# Altium PCB Goldstrike1_Rev01 2014 06 02.PcbDoc (part 1 of 5) (continued)
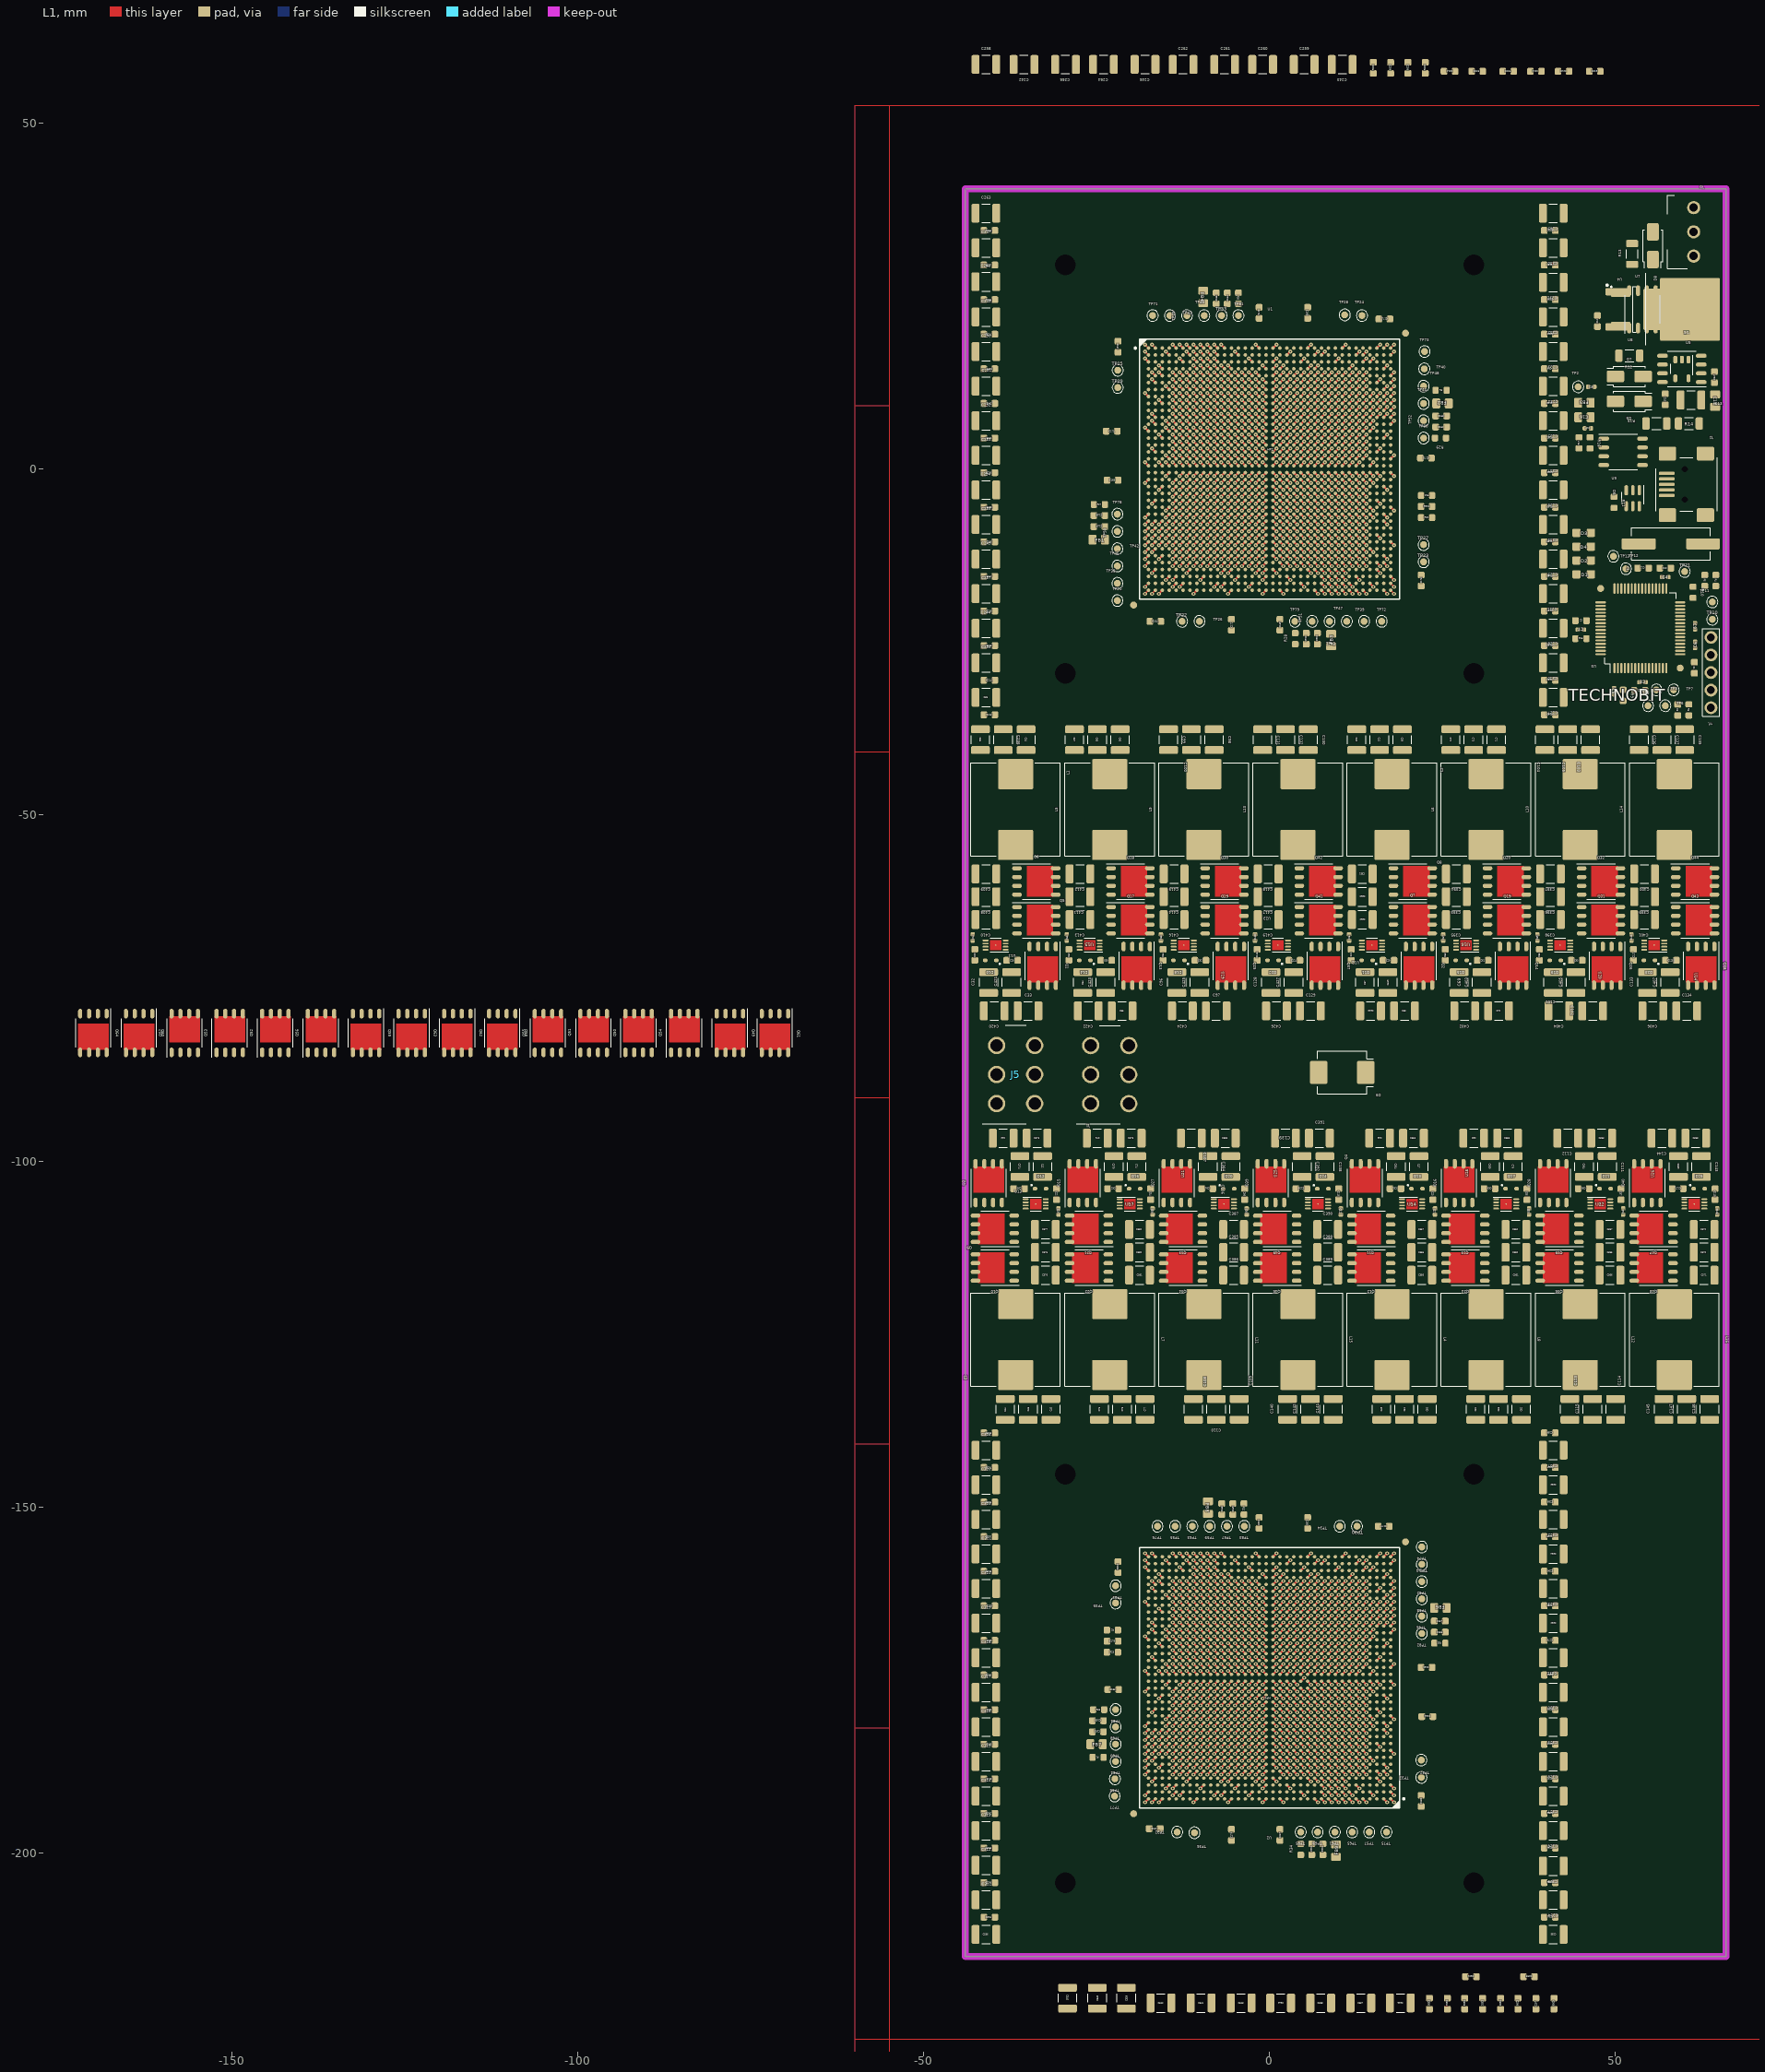
[diagram p0: L1 view]
## Components (designator, comment, footprint, x,y, rotation, side; value= is the part's Value field where it differs from the comment)
C1 "SMD_0603_CAPC1608X95N" SMD_0603_CAPC1608X95N 61.4,-28.7 r270 top
C2 "SMD_0603_CAPC1608X95N" SMD_0603_CAPC1608X95N 45,-21.9 r180 top
C3 "SMD_0603_CAPC1608X95N" SMD_0603_CAPC1608X95N 59,-34.8 r270 top
C4 "SMD_0402_CAPC1005X55N" SMD_0402_CAPC1005X55N 57.2,-15.6 r0 top
C5 "SMD_0402_CAPC1005X55N" SMD_0402_CAPC1005X55N 49.8,-32.1 r270 top
C6 "SMD_0402_CAPC1005X55N" SMD_0402_CAPC1005X55N 61.5,-25.4 r90 top
C7 "SMD_0402_CAPC1005X55N" SMD_0402_CAPC1005X55N 45,-23.2 r180 top
C8 "SMD_0402_CAPC1005X55N" SMD_0402_CAPC1005X55N 53.9,-30.8 r180 top
C9 "SMD_0402_CAPC1005X55N" SMD_0402_CAPC1005X55N 61.5,-22.7 r270 top
C10 "SMD_0603_CAPC1608X95N" SMD_0603_CAPC1608X95N 57.2,-14.3 r0 top
C11 "SMD_0603_CAPC1608X95N" SMD_0603_CAPC1608X95N 54,-14.3 r180 top
C12 "SMD_0603_CAPC1608X95N" SMD_0603_CAPC1608X95N 47.4,21.4 r90 top
C13 "SMD_1210_CAPC3225X279N" SMD_1210_CAPC3225X279N 60.9,10 r0 top
C14 "SMD_0805_CAPC2012X145N" SMD_0805_CAPC2012X145N 64.4,9.9 r270 top
C15 "SMD_0603_CAPC1608X95N" SMD_0603_CAPC1608X95N 57.2,10.1 r270 top
C16 "SMD_0805_CAPC2012X145N" SMD_0805_CAPC2012X145N 45.5,7.5 r180 top
C17 "SMD_0402_CAPC1005X55N" SMD_0402_CAPC1005X55N 46,5.9 r180 top
C18 "SMD_0402_CAPC1005X55N" SMD_0402_CAPC1005X55N 46.5,11.9 r0 top
C19 "SMD_0603_CAPC1608X95N" SMD_0603_CAPC1608X95N 40.5,14.5 r180 top
C20 "SMD_0603_CAPC1608X95N" SMD_0603_CAPC1608X95N -42.6,-70.2 r90 top
C21 "SMD_0603_CAPC1608X95N" SMD_0603_CAPC1608X95N 11.8,-70.2 r90 top
C22 "SMD_0603_CAPC1608X95N" SMD_0603_CAPC1608X95N -30.8,-104.8 r270 top
C23 "SMD_0603_CAPC1608X95N" SMD_0603_CAPC1608X95N 23.6,-104.8 r270 top
C24 "SMD_0402_CAPC1005X55N" SMD_0402_CAPC1005X55N -42.9,-67.7 r90 top
C25 "SMD_0402_CAPC1005X55N" SMD_0402_CAPC1005X55N 11.5,-67.7 r90 top
C26 "SMD_0402_CAPC1005X55N" SMD_0402_CAPC1005X55N -30.5,-107.3 r270 top
C27 "SMD_0402_CAPC1005X55N" SMD_0402_CAPC1005X55N 23.9,-107.3 r270 top
C28 "SMD_0603_CAPC1608X95N" SMD_0603_CAPC1608X95N -37.2,-71 r0 top
C29 "SMD_0603_CAPC1608X95N" SMD_0603_CAPC1608X95N 17.2,-71 r0 top
C30 "SMD_0603_CAPC1608X95N" SMD_0603_CAPC1608X95N -36.2,-104 r180 top
C31 "SMD_0603_CAPC1608X95N" SMD_0603_CAPC1608X95N 18.2,-104 r180 top
C32 "SMD_1210_CAPC3225X270N" SMD_1210_CAPC3225X270N -40.6,-74.2 r90 top
C33 "SMD_1210_CAPC3225X270N" SMD_1210_CAPC3225X270N -34.9,-78.3 r0 top
C34 "SMD_1210_CAPC3225X279N" SMD_1210_CAPC3225X279N -35.2,-39.1 r270 top
C35 "SMD_1210_CAPC3225X279N" SMD_1210_CAPC3225X279N -41.8,-39.1 r270 top
C36 "SMD_1210_CAPC3225X279N" SMD_1210_CAPC3225X279N -41,-33 r0 top
C37 "SMD_1210_CAPC3225X270N" SMD_1210_CAPC3225X270N 13.8,-74.2 r90 top
C38 "SMD_1210_CAPC3225X270N" SMD_1210_CAPC3225X270N 19.5,-78.3 r0 top
C39 "SMD_1210_CAPC3225X279N" SMD_1210_CAPC3225X279N 19.2,-39.1 r270 top
C40 "SMD_1210_CAPC3225X279N" SMD_1210_CAPC3225X279N 12.6,-39.1 r270 top
C41 "SMD_1210_CAPC3225X279N" SMD_1210_CAPC3225X279N 15.9,-39.1 r270 top
C42 "SMD_1210_CAPC3225X270N" SMD_1210_CAPC3225X270N -32.8,-100.8 r270 top
C43 "SMD_1210_CAPC3225X270N" SMD_1210_CAPC3225X270N -38.5,-96.7 r180 top
C44 "SMD_1210_CAPC3225X279N" SMD_1210_CAPC3225X279N -38.2,-135.9 r90 top
C45 "SMD_1210_CAPC3225X279N" SMD_1210_CAPC3225X279N -31.6,-135.9 r90 top
C46 "SMD_1210_CAPC3225X279N" SMD_1210_CAPC3225X279N -34.9,-135.9 r90 top
C47 "SMD_1210_CAPC3225X270N" SMD_1210_CAPC3225X270N 21.6,-100.8 r270 top
C48 "SMD_1210_CAPC3225X270N" SMD_1210_CAPC3225X270N 15.9,-96.7 r180 top
C49 "SMD_1210_CAPC3225X279N" SMD_1210_CAPC3225X279N 16.2,-135.9 r90 top
C50 "SMD_1210_CAPC3225X279N" SMD_1210_CAPC3225X279N 22.8,-135.9 r90 top
C51 "SMD_1210_CAPC3225X279N" SMD_1210_CAPC3225X279N 19.5,-135.9 r90 top
C52 "SMD_0603_CAPC1608X95N" SMD_0603_CAPC1608X95N -29,-70.2 r90 top
C53 "SMD_0603_CAPC1608X95N" SMD_0603_CAPC1608X95N 25.4,-70.2 r90 top
C54 "SMD_0603_CAPC1608X95N" SMD_0603_CAPC1608X95N -17.2,-104.8 r270 top
C55 "SMD_0603_CAPC1608X95N" SMD_0603_CAPC1608X95N 37.2,-104.8 r270 top
C56 "SMD_0402_CAPC1005X55N" SMD_0402_CAPC1005X55N -29.3,-67.7 r90 top
C57 "SMD_0402_CAPC1005X55N" SMD_0402_CAPC1005X55N 25.1,-67.7 r90 top
C58 "SMD_0402_CAPC1005X55N" SMD_0402_CAPC1005X55N -16.9,-107.3 r270 top
C59 "SMD_0402_CAPC1005X55N" SMD_0402_CAPC1005X55N 37.5,-107.3 r270 top
C60 "SMD_0603_CAPC1608X95N" SMD_0603_CAPC1608X95N -23.6,-71 r0 top
C61 "SMD_0603_CAPC1608X95N" SMD_0603_CAPC1608X95N 30.8,-71 r0 top
C62 "SMD_0603_CAPC1608X95N" SMD_0603_CAPC1608X95N -22.6,-104 r180 top
C63 "SMD_0603_CAPC1608X95N" SMD_0603_CAPC1608X95N 31.8,-104 r180 top
C64 "SMD_1210_CAPC3225X270N" SMD_1210_CAPC3225X270N -27,-74.2 r90 top
C65 "SMD_1210_CAPC3225X270N" SMD_1210_CAPC3225X270N -21.3,-78.3 r0 top
C66 "SMD_1210_CAPC3225X279N" SMD_1210_CAPC3225X279N -21.6,-39.1 r270 top
C67 "SMD_1210_CAPC3225X279N" SMD_1210_CAPC3225X279N -28.2,-39.1 r270 top
C68 "SMD_1210_CAPC3225X279N" SMD_1210_CAPC3225X279N -24.9,-39.1 r270 top
C69 "SMD_1210_CAPC3225X270N" SMD_1210_CAPC3225X270N 27.4,-74.2 r90 top
C70 "SMD_1210_CAPC3225X270N" SMD_1210_CAPC3225X270N 33.1,-78.3 r0 top
C71 "SMD_1210_CAPC3225X279N" SMD_1210_CAPC3225X279N 32.8,-39.1 r270 top
C72 "SMD_1210_CAPC3225X279N" SMD_1210_CAPC3225X279N 26.2,-39.1 r270 top
C73 "SMD_1210_CAPC3225X279N" SMD_1210_CAPC3225X279N 29.5,-39.1 r270 top
C74 "SMD_1210_CAPC3225X270N" SMD_1210_CAPC3225X270N -19.2,-100.8 r270 top
C75 "SMD_1210_CAPC3225X270N" SMD_1210_CAPC3225X270N -24.9,-96.7 r180 top
C76 "SMD_1210_CAPC3225X279N" SMD_1210_CAPC3225X279N -24.6,-135.9 r90 top
C77 "SMD_1210_CAPC3225X279N" SMD_1210_CAPC3225X279N -18,-135.9 r90 top
C78 "SMD_1210_CAPC3225X279N" SMD_1210_CAPC3225X279N -21.3,-135.9 r90 top
C79 "SMD_1210_CAPC3225X270N" SMD_1210_CAPC3225X270N 35.2,-100.8 r270 top
C80 "SMD_1210_CAPC3225X270N" SMD_1210_CAPC3225X270N 29.5,-96.7 r180 top
C81 "SMD_1210_CAPC3225X279N" SMD_1210_CAPC3225X279N 29.8,-135.9 r90 top
C82 "SMD_1210_CAPC3225X279N" SMD_1210_CAPC3225X279N 36.4,-135.9 r90 top
C83 "SMD_1210_CAPC3225X279N" SMD_1210_CAPC3225X279N 33.1,-135.9 r90 top
C84 "SMD_0603_CAPC1608X95N" SMD_0603_CAPC1608X95N -15.4,-70.2 r90 top
C85 "SMD_0603_CAPC1608X95N" SMD_0603_CAPC1608X95N 39,-70.2 r90 top
C86 "SMD_0603_CAPC1608X95N" SMD_0603_CAPC1608X95N -3.6,-104.8 r270 top
C87 "SMD_0603_CAPC1608X95N" SMD_0603_CAPC1608X95N 50.8,-104.8 r270 top
C88 "SMD_0402_CAPC1005X55N" SMD_0402_CAPC1005X55N -15.7,-67.7 r90 top
C89 "SMD_0402_CAPC1005X55N" SMD_0402_CAPC1005X55N 38.7,-67.7 r90 top
C90 "SMD_0402_CAPC1005X55N" SMD_0402_CAPC1005X55N -3.3,-107.3 r270 top
C91 "SMD_0402_CAPC1005X55N" SMD_0402_CAPC1005X55N 51.1,-107.3 r270 top
C92 "SMD_0603_CAPC1608X95N" SMD_0603_CAPC1608X95N -10,-71 r0 top
C93 "SMD_0603_CAPC1608X95N" SMD_0603_CAPC1608X95N 44.4,-71 r0 top
C94 "SMD_0603_CAPC1608X95N" SMD_0603_CAPC1608X95N -9,-104 r180 top
C95 "SMD_0603_CAPC1608X95N" SMD_0603_CAPC1608X95N 45.4,-104 r180 top
C96 "SMD_1210_CAPC3225X270N" SMD_1210_CAPC3225X270N -13.4,-74.2 r90 top
C97 "SMD_1210_CAPC3225X270N" SMD_1210_CAPC3225X270N -7.7,-78.3 r0 top
C98 "SMD_1210_CAPC3225X279N" SMD_1210_CAPC3225X279N -8,-39.1 r270 top
C99 "SMD_1210_CAPC3225X279N" SMD_1210_CAPC3225X279N -14.6,-39.1 r270 top
C100 "SMD_1210_CAPC3225X279N" SMD_1210_CAPC3225X279N -11.3,-39.1 r270 top
C101 "SMD_1210_CAPC3225X270N" SMD_1210_CAPC3225X270N 41,-74.2 r90 top
C102 "SMD_1210_CAPC3225X270N" SMD_1210_CAPC3225X270N 46.7,-78.3 r0 top
C103 "SMD_1210_CAPC3225X279N" SMD_1210_CAPC3225X279N 46.4,-39.1 r270 top
C104 "SMD_1210_CAPC3225X279N" SMD_1210_CAPC3225X279N 39.8,-39.1 r270 top
C105 "SMD_1210_CAPC3225X279N" SMD_1210_CAPC3225X279N 43.1,-39.1 r270 top
C106 "SMD_1210_CAPC3225X270N" SMD_1210_CAPC3225X270N -5.6,-100.8 r270 top
C107 "SMD_1210_CAPC3225X270N" SMD_1210_CAPC3225X270N -11.3,-96.7 r180 top
C108 "SMD_1210_CAPC3225X279N" SMD_1210_CAPC3225X279N -11,-135.9 r90 top
C109 "SMD_1210_CAPC3225X279N" SMD_1210_CAPC3225X279N -4.4,-135.9 r90 top
C110 "SMD_1210_CAPC3225X279N" SMD_1210_CAPC3225X279N -7.7,-135.9 r90 top
C111 "SMD_1210_CAPC3225X270N" SMD_1210_CAPC3225X270N 48.8,-100.8 r270 top
C112 "SMD_1210_CAPC3225X270N" SMD_1210_CAPC3225X270N 43.1,-96.7 r180 top
C113 "SMD_1210_CAPC3225X279N" SMD_1210_CAPC3225X279N 43.4,-135.9 r90 top
C114 "SMD_1210_CAPC3225X279N" SMD_1210_CAPC3225X279N 50,-135.9 r90 top
C115 "SMD_1210_CAPC3225X279N" SMD_1210_CAPC3225X279N 46.7,-135.9 r90 top
C116 "SMD_0603_CAPC1608X95N" SMD_0603_CAPC1608X95N -1.8,-70.2 r90 top
C117 "SMD_0603_CAPC1608X95N" SMD_0603_CAPC1608X95N 52.6,-70.2 r90 top
C118 "SMD_0603_CAPC1608X95N" SMD_0603_CAPC1608X95N 10,-104.8 r270 top
C119 "SMD_0603_CAPC1608X95N" SMD_0603_CAPC1608X95N 64.4,-104.8 r270 top
C120 "SMD_0402_CAPC1005X55N" SMD_0402_CAPC1005X55N -2.1,-67.7 r90 top
C121 "SMD_0402_CAPC1005X55N" SMD_0402_CAPC1005X55N 52.3,-67.7 r90 top
C122 "SMD_0402_CAPC1005X55N" SMD_0402_CAPC1005X55N 10.3,-107.3 r270 top
C123 "SMD_0402_CAPC1005X55N" SMD_0402_CAPC1005X55N 64.7,-107.3 r270 top
C124 "SMD_0603_CAPC1608X95N" SMD_0603_CAPC1608X95N 3.6,-71 r0 top
C125 "SMD_0603_CAPC1608X95N" SMD_0603_CAPC1608X95N 58,-71 r0 top
C126 "SMD_0603_CAPC1608X95N" SMD_0603_CAPC1608X95N 4.6,-104 r180 top
C127 "SMD_0603_CAPC1608X95N" SMD_0603_CAPC1608X95N 59,-104 r180 top
C128 "SMD_1210_CAPC3225X270N" SMD_1210_CAPC3225X270N 0.2,-74.2 r90 top
C129 "SMD_1210_CAPC3225X270N" SMD_1210_CAPC3225X270N 5.9,-78.3 r0 top
C130 "SMD_1210_CAPC3225X279N" SMD_1210_CAPC3225X279N 5.6,-39.1 r270 top
C131 "SMD_1210_CAPC3225X279N" SMD_1210_CAPC3225X279N -1,-39.1 r270 top
C132 "SMD_1210_CAPC3225X279N" SMD_1210_CAPC3225X279N 2.3,-39.1 r270 top
C133 "SMD_1210_CAPC3225X270N" SMD_1210_CAPC3225X270N 54.6,-74.2 r90 top
C134 "SMD_1210_CAPC3225X270N" SMD_1210_CAPC3225X270N 60.3,-78.3 r0 top
C135 "SMD_1210_CAPC3225X279N" SMD_1210_CAPC3225X279N 60,-39.1 r270 top
C136 "SMD_1210_CAPC3225X279N" SMD_1210_CAPC3225X279N 53.4,-39.1 r270 top
C137 "SMD_1210_CAPC3225X279N" SMD_1210_CAPC3225X279N 56.7,-39.1 r270 top
C138 "SMD_1210_CAPC3225X270N" SMD_1210_CAPC3225X270N 8,-100.8 r270 top
C139 "SMD_1210_CAPC3225X270N" SMD_1210_CAPC3225X270N 2.3,-96.7 r180 top
C140 "SMD_1210_CAPC3225X279N" SMD_1210_CAPC3225X279N 2.6,-135.9 r90 top
C141 "SMD_1210_CAPC3225X279N" SMD_1210_CAPC3225X279N 9.2,-135.9 r90 top
C142 "SMD_1210_CAPC3225X279N" SMD_1210_CAPC3225X279N 5.9,-135.9 r90 top
C143 "SMD_1210_CAPC3225X270N" SMD_1210_CAPC3225X270N 62.4,-100.8 r270 top
C144 "SMD_1210_CAPC3225X270N" SMD_1210_CAPC3225X270N 56.7,-96.7 r180 top
C145 "SMD_1210_CAPC3225X279N" SMD_1210_CAPC3225X279N 57,-135.9 r90 top
C146 "SMD_1210_CAPC3225X279N" SMD_1210_CAPC3225X279N 63.6,-135.9 r90 top
C147 "SMD_1210_CAPC3225X279N" SMD_1210_CAPC3225X279N 60.3,-135.9 r90 top
C148 "SMD_0603_CAPC1608X95N" SMD_0603_CAPC1608X95N -24.6,-6.7 r180 top
C149 "SMD_0603_CAPC1608X95N" SMD_0603_CAPC1608X95N -24.6,-8.3 r180 top
C150 "SMD_0603_CAPC1608X95N" SMD_0603_CAPC1608X95N 6.9,-24.5 r270 top
C151 "SMD_0603_CAPC1608X95N" SMD_0603_CAPC1608X95N 5.3,-24.5 r270 top
C152 "SMD_0603_CAPC1608X95N" SMD_0603_CAPC1608X95N 24.8,6.1 r0 top
C153 "SMD_0603_CAPC1608X95N" SMD_0603_CAPC1608X95N 24.8,7.7 r0 top
C154 "SMD_0603_CAPC1608X95N" SMD_0603_CAPC1608X95N -6.1,24.7 r90 top
C155 "SMD_0603_CAPC1608X95N" SMD_0603_CAPC1608X95N -7.7,24.7 r90 top
C156 "SMD_0603_CAPC1608X95N" SMD_0603_CAPC1608X95N 24.6,-168.1 r0 top
C157 "SMD_0603_CAPC1608X95N" SMD_0603_CAPC1608X95N 24.6,-166.5 r0 top
C158 "SMD_0603_CAPC1608X95N" SMD_0603_CAPC1608X95N -6.9,-150.3 r90 top
C159 "SMD_0603_CAPC1608X95N" SMD_0603_CAPC1608X95N -5.3,-150.3 r90 top
C160 "SMD_0603_CAPC1608X95N" SMD_0603_CAPC1608X95N -24.8,-180.9 r180 top
C161 "SMD_0603_CAPC1608X95N" SMD_0603_CAPC1608X95N -24.8,-182.5 r180 top
C162 "SMD_0603_CAPC1608X95N" SMD_0603_CAPC1608X95N 6.1,-199.5 r270 top
C163 "SMD_0603_CAPC1608X95N" SMD_0603_CAPC1608X95N 7.7,-199.5 r270 top
C164 "SMD_0603_CAPC1608X95N" SMD_0603_CAPC1608X95N -16.5,-22 r0 top
C165 "SMD_0603_CAPC1608X95N" SMD_0603_CAPC1608X95N 22.7,-5.4 r180 top
C166 "SMD_0603_CAPC1608X95N" SMD_0603_CAPC1608X95N 5.5,22.6 r270 top
C167 "SMD_0603_CAPC1608X95N" SMD_0603_CAPC1608X95N -21.9,17.7 r270 top
C168 "SMD_0603_CAPC1608X95N" SMD_0603_CAPC1608X95N -22.7,-1.6 r0 top
C169 "SMD_0603_CAPC1608X95N" SMD_0603_CAPC1608X95N 1.5,-22.5 r90 top
C170 "SMD_0603_CAPC1608X95N" SMD_0603_CAPC1608X95N 22.6,1.6 r180 top
C171 "SMD_0603_CAPC1608X95N" SMD_0603_CAPC1608X95N -22.8,5.5 r0 top
C172 "SMD_0603_CAPC1608X95N" SMD_0603_CAPC1608X95N -5.5,-22.5 r90 top
C173 "SMD_0603_CAPC1608X95N" SMD_0603_CAPC1608X95N 21.9,-16.1 r90 top
C174 "SMD_0603_CAPC1608X95N" SMD_0603_CAPC1608X95N 16.6,21.7 r180 top
C175 "SMD_0603_CAPC1608X95N" SMD_0603_CAPC1608X95N -1.5,22.6 r270 top
C176 "SMD_0603_CAPC1608X95N" SMD_0603_CAPC1608X95N -40.5,-189.3 r0 top
C177 "SMD_0603_CAPC1608X95N" SMD_0603_CAPC1608X95N 16.5,-152.8 r180 top
C178 "SMD_0603_CAPC1608X95N" SMD_0603_CAPC1608X95N -22.7,-169.4 r0 top
C179 "SMD_0603_CAPC1608X95N" SMD_0603_CAPC1608X95N -5.5,-197.4 r90 top
C180 "SMD_0603_CAPC1608X95N" SMD_0603_CAPC1608X95N 21.9,-192.5 r90 top
C181 "SMD_0603_CAPC1608X95N" SMD_0603_CAPC1608X95N 22.7,-173.2 r180 top
C182 "SMD_0603_CAPC1608X95N" SMD_0603_CAPC1608X95N -1.5,-152.3 r270 top
C183 "SMD_0603_CAPC1608X95N" SMD_0603_CAPC1608X95N -22.6,-176.4 r0 top
C184 "SMD_0603_CAPC1608X95N" SMD_0603_CAPC1608X95N 22.8,-180.3 r180 top
C185 "SMD_0603_CAPC1608X95N" SMD_0603_CAPC1608X95N 5.5,-152.3 r270 top
C186 "SMD_0603_CAPC1608X95N" SMD_0603_CAPC1608X95N -21.9,-158.7 r270 top
C187 "SMD_0603_CAPC1608X95N" SMD_0603_CAPC1608X95N -16.6,-196.5 r0 top
C188 "SMD_0603_CAPC1608X95N" SMD_0603_CAPC1608X95N 40.5,9.5 r180 top
C189 "SMD_0603_CAPC1608X95N" SMD_0603_CAPC1608X95N 40.5,-5.5 r180 top
C190 "SMD_0603_CAPC1608X95N" SMD_0603_CAPC1608X95N 40.5,29.5 r180 top
C191 "SMD_0603_CAPC1608X95N" SMD_0603_CAPC1608X95N -40.5,14.5 r0 top
C192 "SMD_0603_CAPC1608X95N" SMD_0603_CAPC1608X95N -40.5,9.5 r0 top
C193 "SMD_0603_CAPC1608X95N" SMD_0603_CAPC1608X95N 40.5,-35.5 r180 top
C194 "SMD_0603_CAPC1608X95N" SMD_0603_CAPC1608X95N 40.5,-30.5 r180 top
C195 "SMD_0603_CAPC1608X95N" SMD_0603_CAPC1608X95N 40.5,-25.5 r180 top
C196 "SMD_0603_CAPC1608X95N" SMD_0603_CAPC1608X95N -40.5,-5.5 r0 top
C197 "SMD_0603_CAPC1608X95N" SMD_0603_CAPC1608X95N 40.5,-20.5 r180 top
C198 "SMD_0603_CAPC1608X95N" SMD_0603_CAPC1608X95N 40.5,-15.5 r180 top
C199 "SMD_0603_CAPC1608X95N" SMD_0603_CAPC1608X95N 40.5,-10.5 r180 top
C200 "SMD_0603_CAPC1608X95N" SMD_0603_CAPC1608X95N 40.5,-0.5 r180 top
C201 "SMD_0603_CAPC1608X95N" SMD_0603_CAPC1608X95N 40.5,4.5 r180 top
C202 "SMD_0603_CAPC1608X95N" SMD_0603_CAPC1608X95N 40.5,19.5 r180 top
C203 "SMD_0603_CAPC1608X95N" SMD_0603_CAPC1608X95N 40.5,24.5 r180 top
C204 "SMD_0603_CAPC1608X95N" SMD_0603_CAPC1608X95N -40.5,34.5 r0 top
C205 "SMD_0603_CAPC1608X95N" SMD_0603_CAPC1608X95N 15,58 r270 top
C206 "SMD_0603_CAPC1608X95N" SMD_0603_CAPC1608X95N 22.5,58 r270 top
C207 "SMD_0603_CAPC1608X95N" SMD_0603_CAPC1608X95N -40.5,29.5 r0 top
C208 "SMD_0603_CAPC1608X95N" SMD_0603_CAPC1608X95N 20,58 r270 top
C209 "SMD_0603_CAPC1608X95N" SMD_0603_CAPC1608X95N 17.5,58 r270 top
C210 "SMD_0603_CAPC1608X95N" SMD_0603_CAPC1608X95N 42.5,57.5 r180 top
C211 "SMD_0603_CAPC1608X95N" SMD_0603_CAPC1608X95N 38.5,57.5 r180 top
C212 "SMD_0603_CAPC1608X95N" SMD_0603_CAPC1608X95N 26,57.5 r180 top
C213 "SMD_0603_CAPC1608X95N" SMD_0603_CAPC1608X95N -40.5,-35.5 r0 top
C214 "SMD_0603_CAPC1608X95N" SMD_0603_CAPC1608X95N -40.5,-30.5 r0 top
C215 "SMD_0603_CAPC1608X95N" SMD_0603_CAPC1608X95N -40.5,-25.5 r0 top
C216 "SMD_0603_CAPC1608X95N" SMD_0603_CAPC1608X95N -40.5,-20.5 r0 top
C217 "SMD_0603_CAPC1608X95N" SMD_0603_CAPC1608X95N -40.5,-15.5 r0 top
C218 "SMD_0603_CAPC1608X95N" SMD_0603_CAPC1608X95N -40.5,-10.5 r0 top
C219 "SMD_0603_CAPC1608X95N" SMD_0603_CAPC1608X95N 47,57.5 r0 top
C220 "SMD_0603_CAPC1608X95N" SMD_0603_CAPC1608X95N -40.5,-0.5 r0 top
C221 "SMD_0603_CAPC1608X95N" SMD_0603_CAPC1608X95N -40.5,4.5 r0 top
C222 "SMD_0603_CAPC1608X95N" SMD_0603_CAPC1608X95N 40.5,34.5 r180 top
C223 "SMD_0603_CAPC1608X95N" SMD_0603_CAPC1608X95N 30,57.5 r0 top
C224 "SMD_0603_CAPC1608X95N" SMD_0603_CAPC1608X95N -40.5,19.5 r0 top
C225 "SMD_0603_CAPC1608X95N" SMD_0603_CAPC1608X95N -40.5,24.5 r0 top
C226 "SMD_0603_CAPC1608X95N" SMD_0603_CAPC1608X95N 34.5,57.5 r0 top
C227 "SMD_1210_CAPC3225X279N" SMD_1210_CAPC3225X279N 41,-33 r180 top
C228 "SMD_1210_CAPC3225X279N" SMD_1210_CAPC3225X279N 41,-23 r180 top
C229 "SMD_1210_CAPC3225X279N" SMD_1210_CAPC3225X279N 41,-13 r180 top
C230 "SMD_1210_CAPC3225X279N" SMD_1210_CAPC3225X279N 41,32 r180 top
C231 "SMD_1210_CAPC3225X279N" SMD_1210_CAPC3225X279N 41,27 r180 top
C232 "SMD_1210_CAPC3225X279N" SMD_1210_CAPC3225X279N 41,22 r180 top
C233 "SMD_1210_CAPC3225X279N" SMD_1210_CAPC3225X279N 41,17 r180 top
C234 "SMD_1210_CAPC3225X279N" SMD_1210_CAPC3225X279N 41,12 r180 top
C235 "SMD_1210_CAPC3225X279N" SMD_1210_CAPC3225X279N 41,7 r180 top
C236 "SMD_1210_CAPC3225X279N" SMD_1210_CAPC3225X279N -38.5,-39.1 r270 top
C237 "SMD_1210_CAPC3225X279N" SMD_1210_CAPC3225X279N 41,2 r180 top
C238 "SMD_1210_CAPC3225X279N" SMD_1210_CAPC3225X279N 41,-3 r180 top
C239 "SMD_1210_CAPC3225X279N" SMD_1210_CAPC3225X279N 41,-8 r180 top
C240 "SMD_1210_CAPC3225X279N" SMD_1210_CAPC3225X279N 41,-28 r180 top
C241 "SMD_1210_CAPC3225X279N" SMD_1210_CAPC3225X279N 41,-18 r180 top
C242 "SMD_1210_CAPC3225X279N" SMD_1210_CAPC3225X279N -35.5,58.5 r180 top
C243 "SMD_1210_CAPC3225X279N" SMD_1210_CAPC3225X279N 10.5,58.5 r180 top
C244 "SMD_1210_CAPC3225X279N" SMD_1210_CAPC3225X279N -41,-23 r0 top
C245 "SMD_1210_CAPC3225X279N" SMD_1210_CAPC3225X279N -41,-13 r0 top
C246 "SMD_1210_CAPC3225X279N" SMD_1210_CAPC3225X279N -18,58.5 r180 top
C247 "SMD_1210_CAPC3225X279N" SMD_1210_CAPC3225X279N -41,32 r0 top
C248 "SMD_1210_CAPC3225X279N" SMD_1210_CAPC3225X279N -41.002,27.097 r0 top
C249 "SMD_1210_CAPC3225X279N" SMD_1210_CAPC3225X279N -41,22 r0 top
C250 "SMD_1210_CAPC3225X279N" SMD_1210_CAPC3225X279N -41,17 r0 top
C251 "SMD_1210_CAPC3225X279N" SMD_1210_CAPC3225X279N -41,12 r0 top
C252 "SMD_1210_CAPC3225X279N" SMD_1210_CAPC3225X279N -41,7 r0 top
C253 "SMD_1210_CAPC3225X279N" SMD_1210_CAPC3225X279N -41,2 r0 top
C254 "SMD_1210_CAPC3225X279N" SMD_1210_CAPC3225X279N -41,-3 r0 top
C255 "SMD_1210_CAPC3225X279N" SMD_1210_CAPC3225X279N -41,-8 r0 top
C256 "SMD_1210_CAPC3225X279N" SMD_1210_CAPC3225X279N -41,-28 r0 top
C257 "SMD_1210_CAPC3225X279N" SMD_1210_CAPC3225X279N -41,-18 r0 top
C258 "SMD_1210_CAPC3225X279N" SMD_1210_CAPC3225X279N -41,58.5 r0 top
C259 "SMD_1210_CAPC3225X279N" SMD_1210_CAPC3225X279N 5,58.5 r0 top
C260 "SMD_1210_CAPC3225X279N" SMD_1210_CAPC3225X279N -1,58.5 r0 top
C261 "SMD_1210_CAPC3225X279N" SMD_1210_CAPC3225X279N -6.5,58.5 r0 top
C262 "SMD_1210_CAPC3225X279N" SMD_1210_CAPC3225X279N -12.5,58.5 r0 top
C263 "SMD_1210_CAPC3225X279N" SMD_1210_CAPC3225X279N -41,37 r0 top
C264 "SMD_1210_CAPC3225X279N" SMD_1210_CAPC3225X279N -24,58.5 r180 top
C265 "SMD_1210_CAPC3225X279N" SMD_1210_CAPC3225X279N 41,37 r180 top
C266 "SMD_1210_CAPC3225X279N" SMD_1210_CAPC3225X279N -29.5,58.5 r180 top
C267 "SMD_0603_CAPC1608X95N" SMD_0603_CAPC1608X95N 1.5,-197.4 r90 top
C268 "SMD_0603_CAPC1608X95N" SMD_0603_CAPC1608X95N -40.5,-184.3 r0 top
C269 "SMD_0603_CAPC1608X95N" SMD_0603_CAPC1608X95N -40.5,-169.3 r0 top
C270 "SMD_0603_CAPC1608X95N" SMD_0603_CAPC1608X95N -40.5,-204.3 r0 top
C271 "SMD_0603_CAPC1608X95N" SMD_0603_CAPC1608X95N 40.5,-189.3 r180 top
C272 "SMD_0603_CAPC1608X95N" SMD_0603_CAPC1608X95N 40.5,-184.3 r180 top
C273 "SMD_0603_CAPC1608X95N" SMD_0603_CAPC1608X95N -40.5,-139.3 r0 top
C274 "SMD_0603_CAPC1608X95N" SMD_0603_CAPC1608X95N -40.5,-144.3 r0 top
C275 "SMD_0603_CAPC1608X95N" SMD_0603_CAPC1608X95N -40.5,-149.3 r0 top
C276 "SMD_0603_CAPC1608X95N" SMD_0603_CAPC1608X95N 40.5,-169.3 r180 top
C277 "SMD_0603_CAPC1608X95N" SMD_0603_CAPC1608X95N -40.5,-154.3 r0 top
C278 "SMD_0603_CAPC1608X95N" SMD_0603_CAPC1608X95N -40.5,-159.3 r0 top
C279 "SMD_0603_CAPC1608X95N" SMD_0603_CAPC1608X95N -40.5,-164.3 r0 top
C280 "SMD_0603_CAPC1608X95N" SMD_0603_CAPC1608X95N -40.5,-174.3 r0 top
C281 "SMD_0603_CAPC1608X95N" SMD_0603_CAPC1608X95N -40.5,-179.3 r0 top
C282 "SMD_0603_CAPC1608X95N" SMD_0603_CAPC1608X95N -40.5,-194.3 r0 top
C283 "SMD_0603_CAPC1608X95N" SMD_0603_CAPC1608X95N -40.5,-199.3 r0 top
C284 "SMD_0603_CAPC1608X95N" SMD_0603_CAPC1608X95N 40.5,-209.3 r180 top
C285 "SMD_0603_CAPC1608X95N" SMD_0603_CAPC1608X95N 40.5,-204.3 r180 top
C286 "SMD_0603_CAPC1608X95N" SMD_0603_CAPC1608X95N 40.5,-139.3 r180 top
C287 "SMD_0603_CAPC1608X95N" SMD_0603_CAPC1608X95N 40.5,-144.3 r180 top
C288 "SMD_0603_CAPC1608X95N" SMD_0603_CAPC1608X95N 40.5,-149.3 r180 top
C289 "SMD_0603_CAPC1608X95N" SMD_0603_CAPC1608X95N 40.5,-154.3 r180 top
C290 "SMD_0603_CAPC1608X95N" SMD_0603_CAPC1608X95N 40.5,-159.3 r180 top
C291 "SMD_0603_CAPC1608X95N" SMD_0603_CAPC1608X95N 40.5,-164.3 r180 top
C292 "SMD_0603_CAPC1608X95N" SMD_0603_CAPC1608X95N 40.5,-174.3 r180 top
C293 "SMD_0603_CAPC1608X95N" SMD_0603_CAPC1608X95N 40.5,-179.3 r180 top
C294 "SMD_0603_CAPC1608X95N" SMD_0603_CAPC1608X95N -40.5,-209.3 r0 top
C295 "SMD_0603_CAPC1608X95N" SMD_0603_CAPC1608X95N 40.5,-194.3 r180 top
C296 "SMD_0603_CAPC1608X95N" SMD_0603_CAPC1608X95N 40.5,-199.3 r180 top
C297 "SMD_0603_CAPC1608X95N" SMD_0603_CAPC1608X95N 38.5,-221.8 r90 top
C298 "SMD_0603_CAPC1608X95N" SMD_0603_CAPC1608X95N 35.9,-221.8 r270 top
C299 "SMD_0603_CAPC1608X95N" SMD_0603_CAPC1608X95N 37.5,-217.9 r180 top
C300 "SMD_0603_CAPC1608X95N" SMD_0603_CAPC1608X95N 33.4,-221.8 r270 top
C301 "SMD_0603_CAPC1608X95N" SMD_0603_CAPC1608X95N 29.1,-217.9 r180 top
C302 "SMD_0603_CAPC1608X95N" SMD_0603_CAPC1608X95N 30.8,-221.8 r270 top
C303 "SMD_0603_CAPC1608X95N" SMD_0603_CAPC1608X95N 28.2,-221.8 r270 top
C304 "SMD_0603_CAPC1608X95N" SMD_0603_CAPC1608X95N 25.7,-221.8 r270 top
C305 "SMD_0603_CAPC1608X95N" SMD_0603_CAPC1608X95N 23.1,-221.8 r270 top
C306 "SMD_0603_CAPC1608X95N" SMD_0603_CAPC1608X95N 41.1,-221.8 r270 top
C307 "SMD_1210_CAPC3225X279N" SMD_1210_CAPC3225X279N 41,-141.8 r180 top
C308 "SMD_1210_CAPC3225X279N" SMD_1210_CAPC3225X279N -41,-141.8 r0 top
C309 "SMD_1210_CAPC3225X279N" SMD_1210_CAPC3225X279N -41,-151.8 r0 top
C310 "SMD_1210_CAPC3225X279N" SMD_1210_CAPC3225X279N -41,-161.8 r0 top
C311 "SMD_1210_CAPC3225X279N" SMD_1210_CAPC3225X279N -41,-206.8 r0 top
C312 "SMD_1210_CAPC3225X279N" SMD_1210_CAPC3225X279N -41,-201.8 r0 top
C313 "SMD_1210_CAPC3225X279N" SMD_1210_CAPC3225X279N -41,-196.8 r0 top
C314 "SMD_1210_CAPC3225X279N" SMD_1210_CAPC3225X279N -41,-191.8 r0 top
C315 "SMD_1210_CAPC3225X279N" SMD_1210_CAPC3225X279N -41,-186.8 r0 top
C316 "SMD_1210_CAPC3225X279N" SMD_1210_CAPC3225X279N -41,-181.8 r0 top
C317 "SMD_1210_CAPC3225X279N" SMD_1210_CAPC3225X279N -41,-176.8 r0 top
C318 "SMD_1210_CAPC3225X279N" SMD_1210_CAPC3225X279N -41,-171.8 r0 top
C319 "SMD_1210_CAPC3225X279N" SMD_1210_CAPC3225X279N -41,-166.8 r0 top
C320 "SMD_1210_CAPC3225X279N" SMD_1210_CAPC3225X279N -41,-146.8 r0 top
C321 "SMD_1210_CAPC3225X279N" SMD_1210_CAPC3225X279N -41,-156.8 r0 top
C322 "SMD_1210_CAPC3225X279N" SMD_1210_CAPC3225X279N 41,-151.8 r180 top
C323 "SMD_1210_CAPC3225X279N" SMD_1210_CAPC3225X279N 41,-161.8 r180 top
C324 "SMD_1210_CAPC3225X279N" SMD_1210_CAPC3225X279N 41,-206.8 r180 top
C325 "SMD_1210_CAPC3225X279N" SMD_1210_CAPC3225X279N 41.002,-201.897 r180 top
C326 "SMD_1210_CAPC3225X279N" SMD_1210_CAPC3225X279N 41,-196.8 r180 top
C327 "SMD_1210_CAPC3225X279N" SMD_1210_CAPC3225X279N 41,-191.8 r180 top
C328 "SMD_1210_CAPC3225X279N" SMD_1210_CAPC3225X279N 41,-186.8 r180 top
C329 "SMD_1210_CAPC3225X279N" SMD_1210_CAPC3225X279N 41,-181.8 r180 top
C330 "SMD_1210_CAPC3225X279N" SMD_1210_CAPC3225X279N 41,-176.8 r180 top
C331 "SMD_1210_CAPC3225X279N" SMD_1210_CAPC3225X279N 41,-171.8 r180 top
C332 "SMD_1210_CAPC3225X279N" SMD_1210_CAPC3225X279N 41,-166.8 r180 top
C333 "SMD_1210_CAPC3225X279N" SMD_1210_CAPC3225X279N 41,-146.8 r180 top
C334 "SMD_1210_CAPC3225X279N" SMD_1210_CAPC3225X279N 41,-156.8 r180 top
C335 "SMD_1210_CAPC3225X279N" SMD_1210_CAPC3225X279N 41,-211.8 r180 top
C336 "SMD_1210_CAPC3225X279N" SMD_1210_CAPC3225X279N -41,-211.8 r0 top
C337 "SMD_1210_CAPC3225X279N" SMD_1210_CAPC3225X279N 13.2,-221.7 r0 top
C338 "SMD_1210_CAPC3225X279N" SMD_1210_CAPC3225X279N 7.4,-221.7 r0 top
C339 "SMD_1210_CAPC3225X279N" SMD_1210_CAPC3225X279N -20.7,-221 r90 top
C340 "SMD_1210_CAPC3225X279N" SMD_1210_CAPC3225X279N -24.9,-221 r90 top
C341 "SMD_1210_CAPC3225X279N" SMD_1210_CAPC3225X279N -9.9,-221.7 r0 top
C342 "SMD_1210_CAPC3225X279N" SMD_1210_CAPC3225X279N -15.7,-221.7 r0 top
C343 "SMD_1210_CAPC3225X279N" SMD_1210_CAPC3225X279N -4.1,-221.7 r0 top
C344 "SMD_1210_CAPC3225X279N" SMD_1210_CAPC3225X279N 1.6,-221.7 r180 top
C345 "SMD_1210_CAPC3225X279N" SMD_1210_CAPC3225X279N -29.2,-221 r270 top
C346 "SMD_1210_CAPC3225X279N" SMD_1210_CAPC3225X279N 18.9,-221.7 r180 top
C347 "SMD_0603_CAPC1608X95N" SMD_0603_CAPC1608X95N 64.3,13.3 r90 top
C348 "SMD_1210_CAPC3225X270N" SMD_1210_CAPC3225X270N 14.6,-78.3 r180 top
C349 "SMD_1210_CAPC3225X270N" SMD_1210_CAPC3225X270N 17.1,-74.2 r90 top
C350 "SMD_1210_CAPC3225X279N" SMD_1210_CAPC3225X279N 13.4,-61.8 r180 top
C351 "SMD_1210_CAPC3225X279N" SMD_1210_CAPC3225X279N 13.4,-58.5 r180 top
C352 "SMD_1210_CAPC3225X279N" SMD_1210_CAPC3225X279N 13.4,-65.1 r180 top
C353 "SMD_1210_CAPC3225X270N" SMD_1210_CAPC3225X270N 20.8,-96.7 r0 top
C354 "SMD_1210_CAPC3225X270N" SMD_1210_CAPC3225X270N 18.3,-100.8 r270 top
C355 "SMD_1210_CAPC3225X279N" SMD_1210_CAPC3225X279N 22,-113.2 r0 top
C356 "SMD_1210_CAPC3225X279N" SMD_1210_CAPC3225X279N 22,-116.5 r0 top
C357 "SMD_1210_CAPC3225X279N" SMD_1210_CAPC3225X279N 22,-109.9 r0 top
C358 "SMD_1210_CAPC3225X270N" SMD_1210_CAPC3225X270N 34.4,-96.7 r0 top
C359 "SMD_1210_CAPC3225X270N" SMD_1210_CAPC3225X270N 31.9,-100.8 r270 top
C360 "SMD_1210_CAPC3225X279N" SMD_1210_CAPC3225X279N 35.6,-113.2 r0 top
C361 "SMD_1210_CAPC3225X279N" SMD_1210_CAPC3225X279N 35.6,-116.5 r0 top
C362 "SMD_1210_CAPC3225X279N" SMD_1210_CAPC3225X279N 35.6,-109.9 r0 top
C363 "SMD_1210_CAPC3225X270N" SMD_1210_CAPC3225X270N 48,-96.7 r0 top
C364 "SMD_1210_CAPC3225X270N" SMD_1210_CAPC3225X270N 45.5,-100.8 r270 top
C365 "SMD_1210_CAPC3225X279N" SMD_1210_CAPC3225X279N 49.2,-113.2 r0 top
C366 "SMD_1210_CAPC3225X279N" SMD_1210_CAPC3225X279N 49.2,-116.5 r0 top
C367 "SMD_1210_CAPC3225X279N" SMD_1210_CAPC3225X279N 49.2,-109.9 r0 top
C368 "SMD_1210_CAPC3225X270N" SMD_1210_CAPC3225X270N 61.6,-96.7 r0 top
C369 "SMD_1210_CAPC3225X270N" SMD_1210_CAPC3225X270N 59.1,-100.8 r270 top
C370 "SMD_1210_CAPC3225X279N" SMD_1210_CAPC3225X279N 62.8,-113.2 r0 top
C371 "SMD_1210_CAPC3225X279N" SMD_1210_CAPC3225X279N 62.8,-116.5 r0 top
C372 "SMD_1210_CAPC3225X279N" SMD_1210_CAPC3225X279N 62.8,-109.9 r0 top
C373 "SMD_1210_CAPC3225X270N" SMD_1210_CAPC3225X270N -33.6,-96.7 r0 top
C374 "SMD_1210_CAPC3225X270N" SMD_1210_CAPC3225X270N -36.1,-100.8 r270 top
C375 "SMD_1210_CAPC3225X279N" SMD_1210_CAPC3225X279N -32.4,-113.2 r0 top
C376 "SMD_1210_CAPC3225X279N" SMD_1210_CAPC3225X279N -32.4,-116.5 r0 top
C377 "SMD_1210_CAPC3225X279N" SMD_1210_CAPC3225X279N -32.4,-109.9 r0 top
C378 "SMD_1210_CAPC3225X270N" SMD_1210_CAPC3225X270N -20,-96.7 r0 top
C379 "SMD_1210_CAPC3225X270N" SMD_1210_CAPC3225X270N -22.5,-100.8 r270 top
C380 "SMD_1210_CAPC3225X279N" SMD_1210_CAPC3225X279N -18.8,-113.2 r0 top
C381 "SMD_1210_CAPC3225X279N" SMD_1210_CAPC3225X279N -18.8,-116.5 r0 top
C382 "SMD_1210_CAPC3225X279N" SMD_1210_CAPC3225X279N -18.8,-109.9 r0 top
C383 "SMD_1210_CAPC3225X270N" SMD_1210_CAPC3225X270N -6.4,-96.7 r0 top
C384 "SMD_1210_CAPC3225X270N" SMD_1210_CAPC3225X270N -8.9,-100.8 r270 top
C385 "SMD_1210_CAPC3225X279N" SMD_1210_CAPC3225X279N -5.2,-113.2 r0 top
C386 "SMD_1210_CAPC3225X279N" SMD_1210_CAPC3225X279N -5.2,-116.5 r0 top
C387 "SMD_1210_CAPC3225X279N" SMD_1210_CAPC3225X279N -5.2,-109.9 r0 top
C388 "SMD_1210_CAPC3225X279N" SMD_1210_CAPC3225X279N 8.4,-113.2 r0 top
C389 "SMD_1210_CAPC3225X279N" SMD_1210_CAPC3225X279N 8.4,-116.5 r0 top
C390 "SMD_1210_CAPC3225X279N" SMD_1210_CAPC3225X279N 8.4,-109.9 r0 top
C391 "SMD_1210_CAPC3225X270N" SMD_1210_CAPC3225X270N 7.2,-96.7 r0 top
C392 "SMD_1210_CAPC3225X270N" SMD_1210_CAPC3225X270N 4.7,-100.8 r270 top
C393 "SMD_1210_CAPC3225X279N" SMD_1210_CAPC3225X279N 27,-61.8 r180 top
C394 "SMD_1210_CAPC3225X279N" SMD_1210_CAPC3225X279N 27,-58.5 r180 top
C395 "SMD_1210_CAPC3225X279N" SMD_1210_CAPC3225X279N 27,-65.1 r180 top
C396 "SMD_1210_CAPC3225X279N" SMD_1210_CAPC3225X279N 40.6,-61.8 r180 top
C397 "SMD_1210_CAPC3225X279N" SMD_1210_CAPC3225X279N 40.6,-58.5 r180 top
C398 "SMD_1210_CAPC3225X279N" SMD_1210_CAPC3225X279N 40.6,-65.1 r180 top
C399 "SMD_1210_CAPC3225X279N" SMD_1210_CAPC3225X279N 54.2,-61.8 r180 top
C400 "SMD_1210_CAPC3225X279N" SMD_1210_CAPC3225X279N 54.2,-58.5 r180 top
C401 "SMD_1210_CAPC3225X279N" SMD_1210_CAPC3225X279N 54.2,-65.1 r180 top
C402 "SMD_1210_CAPC3225X270N" SMD_1210_CAPC3225X270N 28.2,-78.3 r180 top
C403 "SMD_1210_CAPC3225X270N" SMD_1210_CAPC3225X270N 30.7,-74.2 r90 top
C404 "SMD_1210_CAPC3225X270N" SMD_1210_CAPC3225X270N 41.8,-78.3 r180 top
C405 "SMD_1210_CAPC3225X270N" SMD_1210_CAPC3225X270N 44.3,-74.2 r90 top
C406 "SMD_1210_CAPC3225X270N" SMD_1210_CAPC3225X270N 55.4,-78.3 r180 top
C407 "SMD_1210_CAPC3225X270N" SMD_1210_CAPC3225X270N 57.9,-74.2 r90 top
C408 "SMD_1210_CAPC3225X279N" SMD_1210_CAPC3225X279N -41,-61.8 r180 top
C409 "SMD_1210_CAPC3225X279N" SMD_1210_CAPC3225X279N -41,-58.5 r180 top
C410 "SMD_1210_CAPC3225X279N" SMD_1210_CAPC3225X279N -41,-65.1 r180 top
C411 "SMD_1210_CAPC3225X279N" SMD_1210_CAPC3225X279N -27.4,-61.8 r180 top
C412 "SMD_1210_CAPC3225X279N" SMD_1210_CAPC3225X279N -27.4,-58.5 r180 top
C413 "SMD_1210_CAPC3225X279N" SMD_1210_CAPC3225X279N -27.4,-65.1 r180 top
C414 "SMD_1210_CAPC3225X279N" SMD_1210_CAPC3225X279N -13.8,-61.8 r180 top
C415 "SMD_1210_CAPC3225X279N" SMD_1210_CAPC3225X279N -13.8,-58.5 r180 top
C416 "SMD_1210_CAPC3225X279N" SMD_1210_CAPC3225X279N -13.8,-65.1 r180 top
C417 "SMD_1210_CAPC3225X279N" SMD_1210_CAPC3225X279N -0.2,-61.8 r180 top
C418 "SMD_1210_CAPC3225X279N" SMD_1210_CAPC3225X279N -0.2,-58.5 r180 top
C419 "SMD_1210_CAPC3225X279N" SMD_1210_CAPC3225X279N -0.2,-65.1 r180 top
C420 "SMD_1210_CAPC3225X270N" SMD_1210_CAPC3225X270N -39.8,-78.3 r180 top
C421 "SMD_1210_CAPC3225X270N" SMD_1210_CAPC3225X270N -37.3,-74.2 r90 top
C422 "SMD_1210_CAPC3225X270N" SMD_1210_CAPC3225X270N -26.2,-78.3 r180 top
C423 "SMD_1210_CAPC3225X270N" SMD_1210_CAPC3225X270N -23.7,-74.2 r90 top